# Altium PCB fpgav2.2.PcbDoc (part 2 of 5)
Units mm, origin at the board's own origin, x right, y up, seen from the top; angles counter-clockwise.
Board outline 100 x 100 mm, 4 copper layers (Top Layer, S1, S2, Bottom Layer), stack 1.853 mm thick; 11 components, 223 nets, 672 pads, 762 vias.
Unrouted connection lines stored in the file: 7.
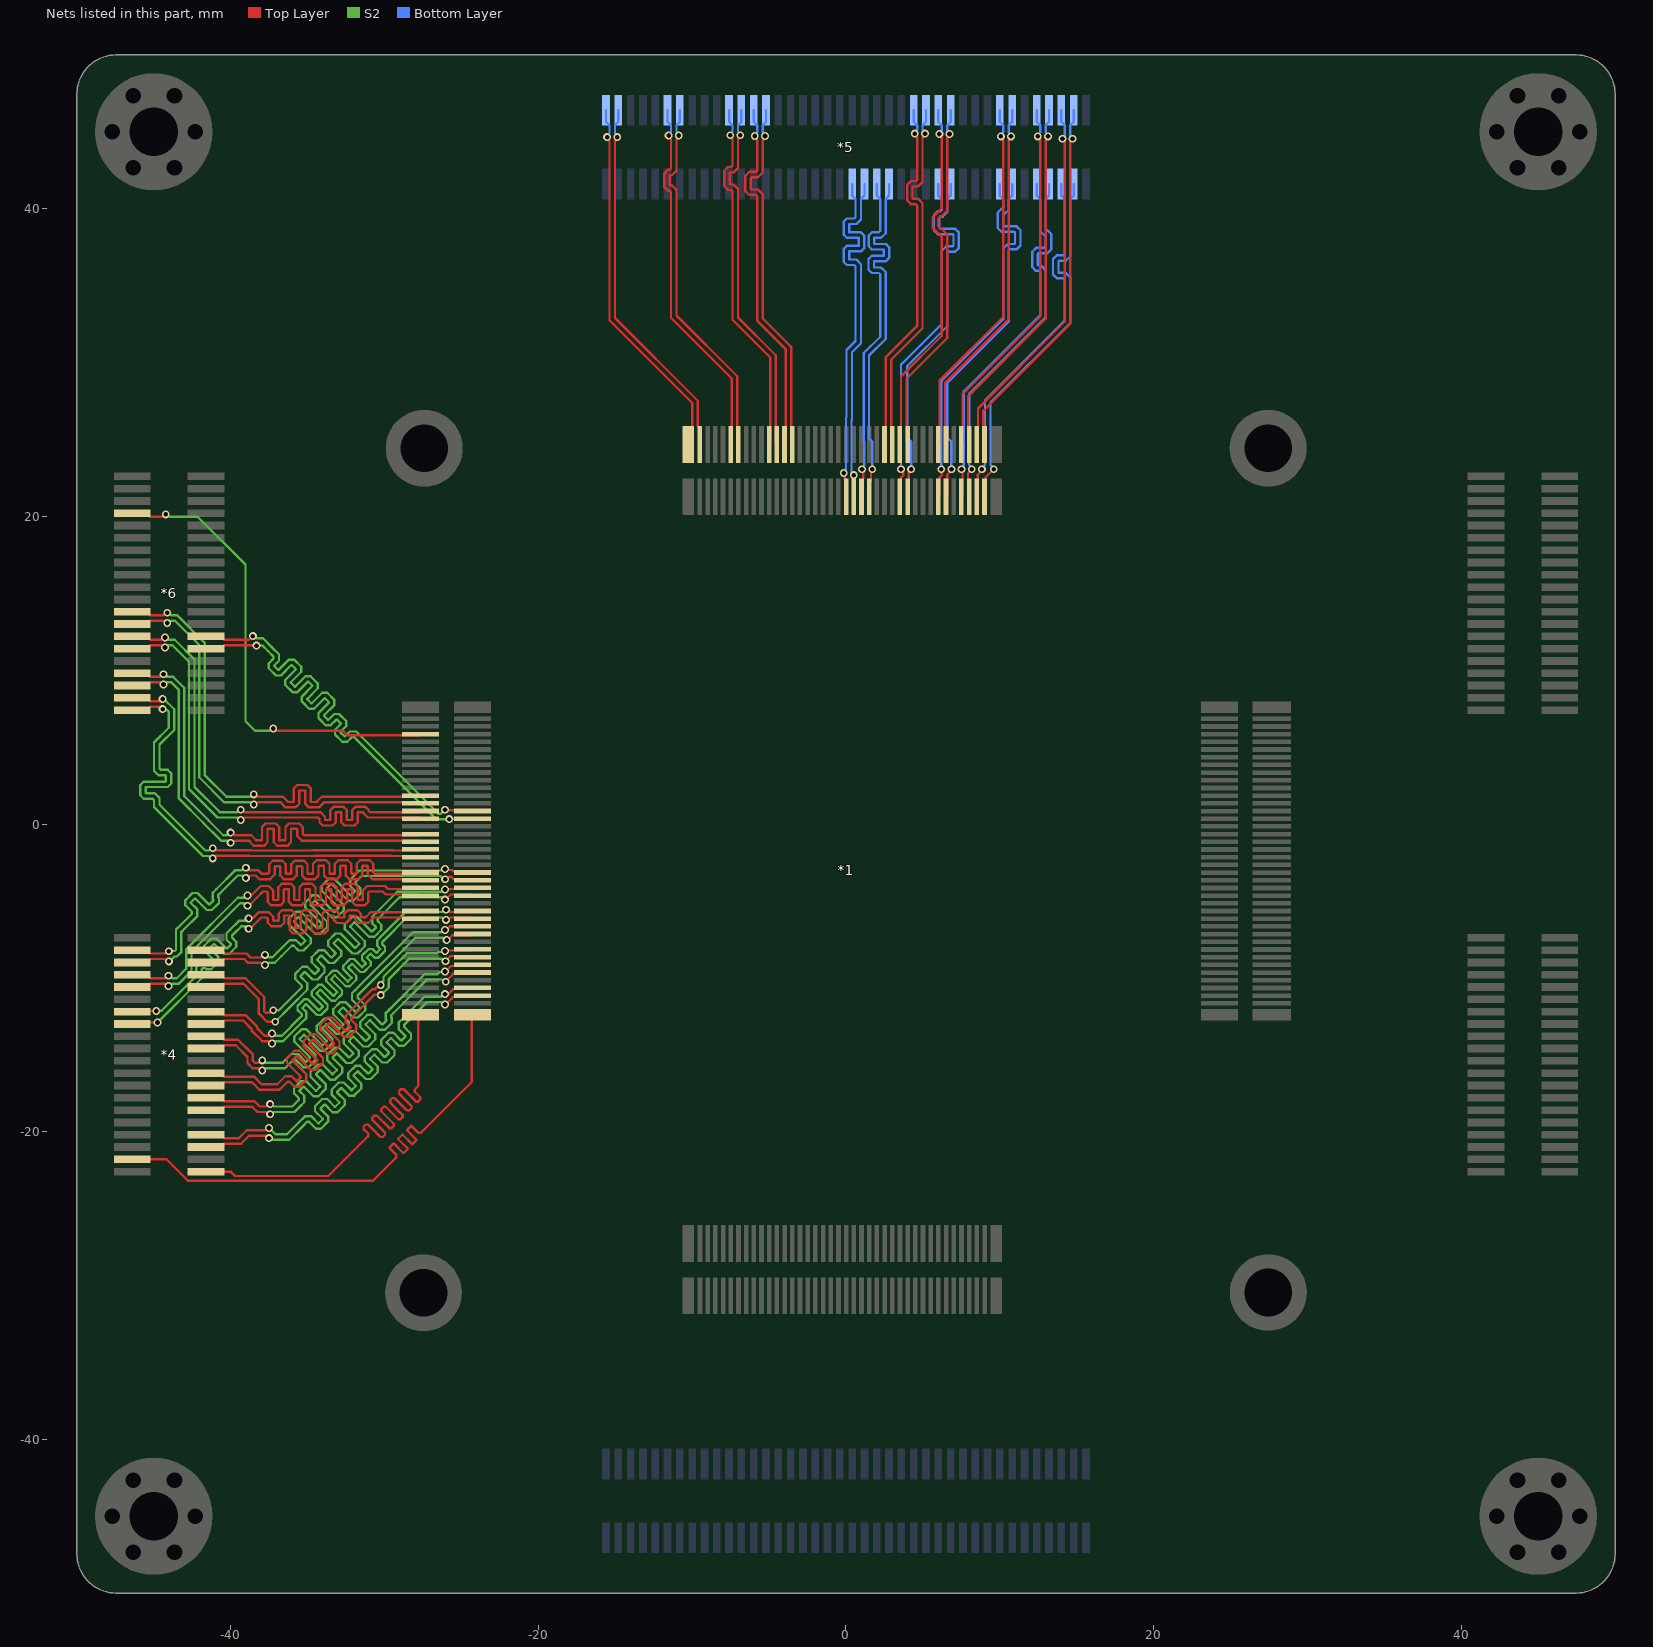
[diagram p4: the nets of this part, all layers, seen from the top]

## Via types
v1: diameter 0.508, hole 0.305, Top Layer to Bottom Layer, 418 vias
v2: diameter 0.635, hole 0.381, Top Layer to Bottom Layer, 340 vias
v3: diameter 0.559, hole 0.305, Top Layer to Bottom Layer, 4 vias

## Nets (pads, with @x,y where several pads share a name; then routed paths per layer and width w, separated by ;. In a path a pad name is that pad's centre, name@x,y a point inside that pad or via, vN(x,y) a via of type N, cw(c..) or ccw(c..) an arc to the next point about the centre after c; other vN are vias at no path point) (continued)
B14_L10_N: *1.94 *5.13 | length 23.8
  Top Layer w0.152: v1(-10.87,44.755) -10.87,44.659 -11.022,44.506 -11.022,43.561 -11.022,42.477 -11.32,42.18 -11.42,42.18 -11.453,42.147 -11.453,41.552 -11.42,41.519 -11.32,41.519 -11.022,41.222 -11.022,40.894 -11.022,33.064 -7.068,29.11 -7.068,24.743 *1.94@-6.995,24.671
  Bottom Layer w0.152: -11.022,45.003 -11.022,45.428 -10.8,45.65 *5.13@-10.8,46.4
B14_L10_P: *1.92 *5.11 | length 23.8
  Top Layer w0.152: v1(-11.53,44.755) -11.53,44.659 -11.378,44.506 -11.378,43.561 -11.378,42.625 -11.467,42.535 -11.567,42.535 -11.808,42.294 -11.808,41.405 -11.567,41.164 -11.467,41.164 -11.378,41.074 -11.378,40.894 -11.378,32.917 -7.423,28.962 -7.423,24.743 *1.92@-7.496,24.671
  Bottom Layer w0.152: *5.11@-11.6,46.4 -11.6,45.65 -11.378,45.428 -11.378,45.003
B14_L11_N: *1.121 *5.42 | length 23.7
  Top Layer w0.152: v1(-0.14,22.823) -0.072,22.755 -0.072,22.399 -0.07,22.396 -0.07,21.346 *1.121@0.004,21.272
  Bottom Layer w0.152: v1(-0.14,22.823) -0.14,22.919 0.001,23.06 0.001,26.414 0.031,26.445 0.031,30.811 0.622,31.402 0.622,36.068 0.622,36.248 0.533,36.338 0.053,36.338 -0.155,36.546 -0.155,37.374 0.053,37.582 0.821,37.582 0.821,38.116 0.053,38.116 -0.155,38.324 -0.155,39.152 0.053,39.36 0.533,39.36 0.622,39.45 0.622,39.948 0.622,40.628 0.4,40.85 *5.42@0.4,41.6
B14_L11_P: *1.123 *5.44 | length 22.2
  Bottom Layer w0.152: v1(0.504,22.679) 0.504,22.775 0.356,22.923 0.356,26.267 0.387,26.297 0.387,30.663 0.978,31.255 0.978,36.068 0.978,36.396 0.68,36.693 0.2,36.693 0.2,37.227 0.968,37.227 1.176,37.435 1.176,38.263 0.968,38.471 0.2,38.471 0.2,39.005 0.68,39.005 0.978,39.302 0.978,39.948 0.978,40.628 1.2,40.85 *5.44@1.2,41.6
B14_L12_N: *1.132 *5.51 | length 23.4
  Top Layer w0.152: *1.132@2.504,24.671 2.576,24.743 2.576,30.333 4.622,32.379 4.622,40.03 4.622,40.211 4.533,40.3 4.22,40.3 3.972,40.548 3.972,41.551 4.22,41.799 4.533,41.799 4.622,41.888 4.622,43.637 4.622,44.633 4.47,44.786 v1(4.47,44.882)
  Bottom Layer w0.152: *5.51@4.4,46.4 4.4,45.65 4.622,45.428 4.622,45.13
B14_L12_P: *1.134 *5.53 | length 23.4
  Top Layer w0.152: *1.134@3.004,24.671 2.932,24.743 2.932,30.186 4.978,32.232 4.978,40.03 4.978,40.358 4.68,40.656 4.367,40.656 4.327,40.695 4.327,41.404 4.367,41.443 4.68,41.443 4.978,41.741 4.978,43.637 4.978,44.633 5.13,44.786 v1(5.13,44.882)
  Bottom Layer w0.152: 4.978,45.13 4.978,45.428 5.2,45.65 *5.53@5.2,46.4
B14_L13_N: *1.136 *5.55 | length 23.2
  Top Layer w0.152: *1.136@3.504,24.671 3.576,24.743 3.576,29.098 6.222,31.744 6.222,37.988 6.222,38.169 6.041,38.35 6.037,38.35 5.648,38.739 5.648,39.459 6.037,39.848 6.041,39.848 6.222,40.029 6.222,40.411 6.222,44.608 6.07,44.76 v1(6.07,44.856)
  Bottom Layer w0.152: *5.55@6,46.4 6,45.65 6.222,45.428 6.222,45.105
B14_L13_P: *1.138 *5.57 | length 23.2
  Top Layer w0.152: *1.138@4.004,24.671 3.932,24.743 3.932,28.951 6.578,31.597 6.578,37.988 6.578,38.316 6.188,38.705 6.184,38.705 6.003,38.886 6.003,39.312 6.184,39.493 6.188,39.493 6.578,39.882 6.578,40.411 6.578,44.608 6.73,44.76 v1(6.73,44.856)
  Bottom Layer w0.152: 6.578,45.105 6.578,45.428 6.8,45.65 *5.57@6.8,46.4
B14_L14_N: *1.125 *5.46 | length 23.6
  Top Layer w0.152: *1.125@1.004,21.272 1.004,22.346 1.12,22.462 1.12,22.798
  Bottom Layer w0.152: v1(1.04,23.065) 1.04,23.161 1.193,23.313 1.193,24.87 1.143,24.92 1.143,30.602 2.222,31.681 2.222,35.553 2.222,35.733 2.133,35.822 1.669,35.822 1.46,36.03 1.46,36.731 1.669,36.94 2.446,36.94 2.446,37.346 1.689,37.346 1.481,37.554 1.481,38.255 1.689,38.464 2.133,38.464 2.222,38.553 2.222,39.345 2.222,40.628 2,40.85 *5.46@2,41.6
B14_L14_P: *1.127 *5.48 | length 23.6
  Top Layer w0.152: *1.127@1.504,21.272 1.504,22.139 1.62,22.255 1.62,22.798
  Bottom Layer w0.152: v1(1.701,23.065) 1.701,24.865 1.499,25.067 1.499,30.455 2.578,31.534 2.578,35.553 2.578,35.88 2.28,36.178 1.816,36.178 1.816,36.584 2.593,36.584 2.802,36.792 2.802,37.493 2.593,37.702 1.837,37.702 1.837,38.108 2.28,38.108 2.578,38.406 2.578,39.345 2.578,40.628 2.8,40.85 *5.48@2.8,41.6
B14_L15_N: *1.102 *5.21 | length 23.4
  Top Layer w0.152: v1(-7.53,44.78) -7.53,44.684 -7.378,44.532 -7.378,43.434 -7.378,42.802 -7.467,42.713 -7.665,42.713 -7.913,42.465 -7.913,41.462 -7.665,41.214 -7.467,41.214 -7.378,41.125 -7.378,40.945 -7.378,32.778 -4.923,30.323 -4.923,24.743 *1.102@-4.996,24.671
  Bottom Layer w0.152: *5.21@-7.6,46.4 -7.6,45.65 -7.378,45.428 -7.378,45.029
B14_L15_P: *1.104 *5.23 | length 23.4
  Top Layer w0.152: v1(-6.87,44.78) -6.87,44.684 -7.022,44.532 -7.022,43.434 -7.022,42.655 -7.32,42.357 -7.518,42.357 -7.557,42.318 -7.557,41.609 -7.518,41.57 -7.32,41.57 -7.022,41.272 -7.022,40.945 -7.022,32.925 -4.568,30.471 -4.568,24.743 *1.104@-4.496,24.671
  Bottom Layer w0.152: -7.022,45.029 -7.022,45.428 -6.8,45.65 *5.23@-6.8,46.4
B14_L16_N: *1.84 *5.3 | length 23.9
  Top Layer w0.152: v1(-14.87,44.653) -14.87,44.557 -15.022,44.405 -15.022,32.899 -9.642,27.519 -9.642,25.868 -9.495,25.721 *1.84@-9.495,24.671
  Bottom Layer w0.152: -15.022,44.902 -15.022,45.428 -14.8,45.65 *5.3@-14.8,46.4
B14_L16_P: *1.82 *5.1 | length 24
  Top Layer w0.152: v1(-15.53,44.653) -15.53,44.557 -15.378,44.405 -15.378,32.751 -9.998,27.371 -9.998,24.919 *1.82@-10.246,24.671
  Bottom Layer w0.152: *5.1@-15.6,46.4 -15.6,45.65 -15.378,45.428 -15.378,44.902
B14_L17_N: *1.108 *5.27 | length 23.6
  Top Layer w0.152: v1(-5.27,44.729) -5.27,44.633 -5.422,44.481 -5.422,43.18 -5.422,42.338 -5.72,42.04 -6.145,42.04 -6.184,42.001 -6.184,41.292 -6.145,41.253 -5.72,41.253 -5.422,40.955 -5.422,40.628 -5.422,32.874 -3.568,31.02 -3.568,24.743 *1.108@-3.496,24.671
  Bottom Layer w0.152: -5.422,44.978 -5.422,45.428 -5.2,45.65 *5.27@-5.2,46.4
B14_L17_P: *1.106 *5.25 | length 23.6
  Top Layer w0.152: v1(-5.93,44.729) -5.93,44.633 -5.778,44.481 -5.778,43.18 -5.778,42.485 -5.867,42.396 -6.292,42.396 -6.54,42.148 -6.54,41.145 -6.292,40.897 -5.867,40.897 -5.778,40.808 -5.778,40.628 -5.778,32.727 -3.924,30.873 -3.924,24.743 *1.106@-3.996,24.671
  Bottom Layer w0.152: *5.25@-6,46.4 -6,45.65 -5.778,45.428 -5.778,44.978
B14_L18_N: *1.135 *5.56 | length 23.3
  Top Layer w0.152: *1.135@3.504,21.272 3.578,21.346 3.578,22.519 3.724,22.665 3.724,22.816
  Bottom Layer w0.152: v1(3.572,23.065) 3.572,24.592 3.572,29.854 3.632,29.915 ; 3.632,29.916 6.222,32.506 6.222,35.789 6.222,37.259 6.52,37.557 6.945,37.557 6.984,37.596 6.984,38.305 6.945,38.344 5.967,38.344 5.719,38.592 5.719,39.595 5.967,39.843 6.133,39.843 6.222,39.932 6.222,40.55 6.222,40.628 6,40.85 *5.56@6,41.6
B14_L18_P: *1.137 *5.58 | length 23.3
  Top Layer w0.152: *1.137@4.004,21.272 4.078,21.346 4.078,22.516 4.08,22.518 4.08,22.811
  Bottom Layer w0.152: v1(4.232,23.059) 4.232,24.865 3.988,25.109 3.988,29.769 6.578,32.359 6.578,35.789 6.578,37.112 6.667,37.201 7.092,37.201 7.34,37.449 7.34,38.452 7.092,38.7 6.114,38.7 6.075,38.739 6.075,39.448 6.114,39.487 6.28,39.487 6.578,39.785 6.578,40.55 6.578,40.628 6.8,40.85 *5.58@6.8,41.6
B14_L19_N: *1.152 *5.71 | length 23.8
  Top Layer w0.152: *1.152@7.504,24.671 7.577,24.743 7.577,27.942 12.622,32.988 12.622,44.455 12.47,44.608 v1(12.47,44.704)
  Bottom Layer w0.152: *5.71@12.4,46.4 12.4,45.65 12.622,45.428 12.622,44.953
B14_L19_P: *1.154 *5.73 | length 23.8
  Top Layer w0.152: *1.154@8.005,24.671 7.932,24.743 7.932,27.795 12.978,32.841 12.978,44.455 13.13,44.608 v1(13.13,44.704)
  Bottom Layer w0.152: 12.978,44.953 12.978,45.428 13.2,45.65 *5.73@13.2,46.4
B14_L20_N: *1.146 *5.65 | length 23.4
  Top Layer w0.152: *1.146@6.004,24.671 6.077,24.743 6.077,28.83 10.222,32.976 10.222,44.455 10.07,44.608 v1(10.07,44.704)
  Bottom Layer w0.152: *5.65@10,46.4 10,45.65 10.222,45.428 10.222,44.953
B14_L20_P: *1.148 *5.67 | length 23.4
  Top Layer w0.152: *1.148@6.504,24.671 6.432,24.743 6.432,28.683 10.578,32.828 10.578,44.455 10.73,44.608 v1(10.73,44.704)
  Bottom Layer w0.152: 10.578,44.953 10.578,45.428 10.8,45.65 *5.67@10.8,46.4
B14_L21_N: *1.145 *5.66 | length 23.9
  Top Layer w0.152: *1.145@6.005,21.272 6.078,21.346 6.078,22.522 6.228,22.671 6.228,23.029 v1(6.192,23.065)
  Bottom Layer w0.152: v1(6.192,23.065) 6.192,24.579 6.192,28.72 6.223,28.75 6.223,28.824 10.222,32.823 10.222,35.941 10.222,37.412 10.52,37.709 10.945,37.709 10.984,37.749 10.984,38.457 10.945,38.497 10.116,38.497 9.868,38.744 9.868,39.748 10.116,39.995 10.133,39.995 10.222,40.085 10.222,40.563 10.222,40.628 10,40.85 *5.66@10,41.6
B14_L21_P: *1.147 *5.68 | length 24
  Top Layer w0.152: *1.147@6.504,21.272 6.578,21.346 6.578,22.519 6.583,22.524 6.583,22.699 6.853,22.968 v1(6.853,23.065)
  Bottom Layer w0.152: v1(6.853,23.065) 6.853,24.853 6.579,25.127 6.579,28.677 10.578,32.676 10.578,35.941 10.578,37.264 10.667,37.354 11.092,37.354 11.34,37.601 11.34,38.605 11.092,38.852 10.263,38.852 10.224,38.892 10.224,39.6 10.263,39.64 10.28,39.64 10.578,39.937 10.578,40.563 10.578,40.628 10.8,40.85 *5.68@10.8,41.6
B14_L22_N: *1.153 *5.74 | length 23.9
  Top Layer w0.152: *1.153@8.005,21.272 7.932,21.344 7.932,22.784 8.174,23.025 v1(8.174,23.065)
  Bottom Layer w0.152: v1(8.174,23.065) 8.174,23.161 8.021,23.313 8.021,27.986 12.978,32.942 12.978,35.687 12.978,36.015 12.68,36.312 12.505,36.312 12.466,36.352 12.466,37.06 12.505,37.1 13.096,37.1 13.343,37.347 13.343,38.351 13.096,38.598 13.067,38.598 12.978,38.688 12.978,39.827 12.978,40.628 13.2,40.85 *5.74@13.2,41.6
B14_L22_P: *1.151 *5.72 | length 23.8
  Top Layer w0.152: *1.151@7.504,21.272 7.577,21.344 7.577,23.001 v1(7.513,23.065)
  Bottom Layer w0.152: v1(7.513,23.065) 7.513,23.161 7.666,23.313 7.666,28.133 12.622,33.09 12.622,35.687 12.622,35.867 12.533,35.957 12.358,35.957 12.11,36.204 12.11,37.208 12.358,37.455 12.948,37.455 12.988,37.495 12.988,38.203 12.948,38.243 12.92,38.243 12.622,38.54 12.622,39.827 12.622,40.628 12.4,40.85 *5.72@12.4,41.6
B14_L23_N: *1.158 *5.77 | length 24.3
  Top Layer w0.152: *1.158@9.005,24.671 8.932,24.743 8.932,26.865 14.578,32.51 14.578,44.303 14.73,44.455 v1(14.73,44.552)
  Bottom Layer w0.152: v1(14.73,44.552) 14.578,44.704 14.578,45.428 14.8,45.65 *5.77@14.8,46.4
B14_L23_P: *1.156 *5.75 | length 24.3
  Top Layer w0.152: *1.156@8.504,24.671 8.577,24.743 8.577,27.012 14.222,32.658 14.222,44.303 14.07,44.455 v1(14.07,44.552)
  Bottom Layer w0.152: *5.75@14,46.4 14,45.65 14.222,45.428 14.222,44.704 v1(14.07,44.552)
B14_L24_N: *1.155 *5.76 | length 23.9
  Top Layer w0.152: *1.155@8.505,21.272 8.566,21.333 8.566,22.701 8.834,22.969 v1(8.834,23.065)
  Bottom Layer w0.152: v1(8.834,23.065) 8.834,23.126 9.04,23.332 9.04,27.551 14.222,32.734 14.222,35.204 14.222,35.385 14.133,35.474 13.708,35.474 13.46,35.722 13.46,36.725 13.708,36.973 14.133,36.973 14.222,37.062 14.222,38.109 14.222,40.628 14,40.85 *5.76@14,41.6
B14_L24_P: *1.157 *5.78 | length 24
  Top Layer w0.152: *1.157@9.005,21.272 9.078,21.346 9.078,22.542 v1(9.601,23.065)
  Bottom Layer w0.152: v1(9.601,23.065) 9.601,23.126 9.395,23.332 9.395,27.404 14.578,32.586 14.578,35.204 14.578,35.532 14.28,35.83 13.855,35.83 13.816,35.869 13.816,36.578 13.855,36.617 14.28,36.617 14.578,36.915 14.578,38.109 14.578,40.628 14.8,40.85 *5.78@14.8,41.6
B15_IO0: *1.161 *4.3 | length 34.6
  Top Layer w0.152: *4.3@-46.4,-21.8 -44.173,-21.8 -42.783,-23.19 -30.759,-23.19 -29.273,-21.704 -29.22,-21.65 -29.22,-21.524 -29.681,-21.063 -29.681,-21.034 -29.422,-20.775 -29.394,-20.775 -28.784,-21.385 -28.756,-21.385 -28.497,-21.126 -28.497,-21.097 -29.106,-20.488 -29.106,-20.459 -28.848,-20.201 -28.819,-20.201 -28.21,-20.81 -28.181,-20.81 -27.922,-20.551 -27.922,-20.523 -28.531,-19.913 -28.531,-19.885 -28.273,-19.626 -28.244,-19.626 -27.783,-20.087 -27.657,-20.087 -27.508,-19.939 -24.333,-16.764 -24.333,-12.465 *1.161@-24.272,-12.404
B15_IO25: *1.162 *4.2 | length 33.3
  Top Layer w0.152: *4.2@-41.6,-22.6 -40.006,-22.6 -39.72,-22.885 -33.654,-22.885 -31.102,-20.333 -31.048,-20.28 -31.048,-20.136 -31.362,-19.821 -31.362,-19.677 -31.219,-19.534 -31.075,-19.534 -30.261,-20.347 -30.118,-20.347 -29.974,-20.204 -29.974,-20.06 -30.788,-19.246 -30.788,-19.103 -30.644,-18.959 -30.5,-18.959 -29.687,-19.773 -29.543,-19.773 -29.399,-19.629 -29.399,-19.485 -30.213,-18.672 -30.213,-18.528 -30.069,-18.384 -29.926,-18.384 -29.112,-19.198 -28.968,-19.198 -28.824,-19.054 -28.824,-18.911 -29.638,-18.097 -29.638,-17.953 -29.495,-17.809 -29.351,-17.809 -28.537,-18.623 -28.393,-18.623 -28.25,-18.48 -28.25,-18.336 -29.064,-17.522 -29.064,-17.378 -28.92,-17.235 -28.776,-17.235 -27.962,-18.049 -27.819,-18.049 -27.675,-17.905 -27.675,-17.761 -28.03,-17.406 -28.03,-17.262 -27.952,-17.184 -27.805,-17.037 -27.805,-12.538 *1.162@-27.671,-12.404
B15_L1_N: *1.185 *4.26 | length 29.9
  Top Layer w0.152: *4.26@-41.6,-13 -40.65,-13 -40.428,-12.778 -40.024,-12.778 -39.187,-12.778 -38.647,-13.317 -38.647,-13.418 -37.942,-14.122 -37.561,-14.122 -37.409,-14.275 v1(-37.313,-14.275) ; -25.761,-6.081 -24.344,-6.081 *1.185@-24.272,-6.154
  S2 w0.152: -37.064,-14.122 -36.598,-14.122 -35.312,-12.836 -35.082,-12.606 -35.082,-12.227 -35.352,-11.957 -35.1,-11.705 -34.386,-12.42 -34.133,-12.42 -33.703,-11.99 -33.703,-11.738 -34.425,-11.015 -34.174,-10.764 -33.452,-11.486 -33.199,-11.486 -32.769,-11.056 -32.769,-10.804 -33.484,-10.089 -33.232,-9.838 -32.518,-10.552 -32.265,-10.552 -31.835,-10.122 -31.835,-9.87 -32.368,-9.337 -32.117,-9.085 -31.584,-9.618 -31.331,-9.618 -30.901,-9.188 -30.901,-8.936 -31.156,-8.681 -30.905,-8.429 -30.65,-8.684 -30.397,-8.684 -29.967,-8.254 -29.967,-8.002 -30.159,-7.81 -30.159,-7.684 -30.042,-7.567 -28.557,-6.081 -26.258,-6.081 -26.106,-6.234 v1(-26.01,-6.234)
B15_L1_P: *1.187 *4.28 | length 29.9
  Top Layer w0.152: *4.28@-41.6,-12.2 -40.65,-12.2 -40.428,-12.422 -40.171,-12.422 -39.04,-12.422 -38.292,-13.17 -38.292,-13.27 -37.795,-13.767 -37.561,-13.767 -37.409,-13.614 v1(-37.313,-13.614) ; -25.761,-5.726 -24.344,-5.726 *1.187@-24.272,-5.654
  S2 w0.152: -37.064,-13.767 -36.674,-13.767 -35.528,-12.621 -35.386,-12.48 -35.386,-12.353 -35.657,-12.083 -35.657,-11.831 -35.227,-11.401 -34.974,-11.401 -34.259,-12.115 -34.008,-11.864 -34.73,-11.142 -34.73,-10.889 -34.3,-10.459 -34.048,-10.459 -33.325,-11.181 -33.074,-10.93 -33.789,-10.215 -33.789,-9.963 -33.359,-9.533 -33.106,-9.533 -32.392,-10.247 -32.14,-9.996 -32.673,-9.463 -32.673,-9.21 -32.243,-8.78 -31.991,-8.78 -31.458,-9.313 -31.206,-9.062 -31.461,-8.807 -31.461,-8.554 -31.031,-8.124 -30.779,-8.124 -30.524,-8.38 -30.272,-8.128 -30.464,-7.936 -30.464,-7.557 -30.258,-7.351 -28.633,-5.726 -26.258,-5.726 -26.106,-5.573 v1(-26.01,-5.573)
B15_L2_N: *1.173 *4.14 | length 30.9
  Top Layer w0.152: *4.14@-41.6,-17.8 -40.65,-17.8 -40.428,-18.022 -38.459,-18.022 -38.117,-18.364 -37.688,-18.364 -37.536,-18.212 v1(-37.44,-18.212) ; v1(-26.065,-9.59) -26.027,-9.59 -25.756,-9.319 -25.664,-9.227 -24.346,-9.227 *1.173@-24.272,-9.153
  S2 w0.152: -37.191,-18.364 -35.997,-18.364 -35.741,-18.107 -35.576,-17.943 -35.576,-17.817 -35.89,-17.503 -35.89,-17.179 -35.423,-16.712 -35.1,-16.712 -34.473,-17.339 -34.444,-17.339 -34.186,-17.08 -34.186,-17.052 -34.812,-16.425 -34.812,-16.102 -34.345,-15.635 -34.022,-15.635 -33.395,-16.261 -33.367,-16.261 -33.108,-16.003 -33.108,-15.974 -33.735,-15.347 -33.735,-15.024 -33.268,-14.557 -32.944,-14.557 -32.318,-15.184 -32.289,-15.184 -32.03,-14.925 -32.03,-14.896 -32.657,-14.27 -32.657,-13.946 -32.19,-13.48 -31.867,-13.48 -31.24,-14.106 -31.212,-14.106 -30.953,-13.848 -30.953,-13.819 -31.579,-13.192 -31.579,-12.869 -31.113,-12.402 -30.789,-12.402 -30.163,-13.029 -30.134,-13.029 -29.875,-12.77 -29.875,-12.741 -29.914,-12.702 -29.914,-12.281 -29.683,-12.05 -27.391,-9.758 -26.561,-9.758 -26.421,-9.618 -26.092,-9.618 v1(-26.065,-9.59)
B15_L2_P: *1.171 *4.12 | length 30.9
  Top Layer w0.152: *4.12@-41.6,-18.6 -40.65,-18.6 -40.428,-18.378 -38.606,-18.378 -38.264,-18.72 -37.688,-18.72 -37.536,-18.872 v1(-37.44,-18.872) ; v1(-26.018,-10.251) -26.018,-10.226 -25.567,-9.775 -25.519,-9.727 -24.346,-9.727 *1.171@-24.272,-9.654
  S2 w0.152: -37.191,-18.72 -35.85,-18.72 -35.489,-18.359 -35.22,-18.09 -35.22,-17.669 -35.534,-17.355 -35.534,-17.327 -35.276,-17.068 -35.247,-17.068 -34.62,-17.695 -34.297,-17.695 -33.83,-17.228 -33.83,-16.904 -34.457,-16.278 -34.457,-16.249 -34.198,-15.99 -34.169,-15.99 -33.543,-16.617 -33.219,-16.617 -32.753,-16.15 -32.753,-15.827 -33.379,-15.2 -33.379,-15.171 -33.121,-14.913 -33.092,-14.913 -32.465,-15.539 -32.142,-15.539 -31.675,-15.072 -31.675,-14.749 -32.302,-14.123 -32.302,-14.094 -32.043,-13.835 -32.014,-13.835 -31.388,-14.462 -31.064,-14.462 -30.597,-13.995 -30.597,-13.672 -31.224,-13.045 -31.224,-13.016 -30.965,-12.758 -30.937,-12.758 -30.31,-13.384 -29.987,-13.384 -29.52,-12.917 -29.52,-12.594 -29.559,-12.555 -29.559,-12.429 -29.431,-12.301 -27.243,-10.113 -26.216,-10.113 -26.078,-10.251 v1(-26.018,-10.251)
B15_L3_N: *1.195 *4.36 | length 30.9
  Top Layer w0.152: *4.36@-41.6,-9 -40.65,-9 -40.428,-8.778 -40.024,-8.778 -39.122,-8.778 -38.87,-9.03 -38.006,-9.03 -37.866,-9.169 v1(-37.77,-9.169) ; v1(-26.063,-3.595) -25.968,-3.595 -25.801,-3.428 -25.671,-3.428 -25.519,-3.58 -24.346,-3.58 *1.195@-24.272,-3.654
  S2 w0.152: -37.521,-9.017 -37.135,-9.017 -36.713,-8.595 -36.027,-7.909 -35.901,-7.909 -35.587,-8.223 -35.263,-8.223 -34.796,-7.756 -34.796,-7.433 -35.879,-6.35 -35.879,-6.322 -35.62,-6.063 -35.591,-6.063 -34.509,-7.146 -34.186,-7.146 -33.719,-6.679 -33.719,-6.355 -34.801,-5.273 -34.801,-5.244 -34.543,-4.985 -34.514,-4.985 -33.431,-6.068 -33.108,-6.068 -32.641,-5.601 -32.641,-5.278 -33.724,-4.195 -33.724,-4.166 -33.465,-3.908 -33.436,-3.908 -32.354,-4.99 -32.03,-4.99 -31.564,-4.523 -31.564,-4.2 -31.878,-3.886 -31.878,-3.76 -31.75,-3.632 -31.496,-3.378 -26.376,-3.378 -26.159,-3.595 v1(-26.063,-3.595)
B15_L3_P: *1.197 *4.38 | length 31.1
  Top Layer w0.152: *4.38@-41.6,-8.2 -40.65,-8.2 -40.428,-8.422 -40.171,-8.422 -38.974,-8.422 -38.722,-8.674 -38.031,-8.674 -37.866,-8.509 v1(-37.77,-8.509) ; v1(-26.072,-2.925) -26.004,-2.993 -25.603,-2.993 -25.516,-3.08 -24.346,-3.08 *1.197@-24.272,-3.154
  S2 w0.152: v1(-37.77,-8.509) -37.674,-8.509 -37.521,-8.661 -37.282,-8.661 -36.964,-8.343 -36.174,-7.554 -35.753,-7.554 -35.439,-7.868 -35.411,-7.868 -35.152,-7.609 -35.152,-7.58 -36.234,-6.498 -36.234,-6.174 -35.767,-5.707 -35.444,-5.707 -34.362,-6.79 -34.333,-6.79 -34.074,-6.531 -34.074,-6.503 -35.157,-5.42 -35.157,-5.097 -34.69,-4.63 -34.367,-4.63 -33.284,-5.712 -33.255,-5.712 -32.997,-5.454 -32.997,-5.425 -34.079,-4.342 -34.079,-4.019 -33.612,-3.552 -33.289,-3.552 -32.206,-4.635 -32.178,-4.635 -31.919,-4.376 -31.919,-4.347 -32.233,-4.033 -32.233,-3.612 -32.001,-3.381 -31.643,-3.023 -26.339,-3.023 -26.31,-2.993 -26.14,-2.993 v1(-26.072,-2.925)
B15_L4_N: *1.167 *4.8 | length 31.4
  Top Layer w0.152: *4.8@-41.6,-20.2 -40.65,-20.2 -40.428,-20.422 -39.466,-20.422 -38.956,-19.912 -37.764,-19.912 -37.612,-19.76 v1(-37.516,-19.76) ; v1(-26.065,-11.061) -25.997,-10.993 -25.788,-10.993 -25.522,-10.727 -24.346,-10.727 *1.167@-24.272,-10.654
  S2 w0.152: v1@-37.505,-19.749 -37.086,-20.168 -36.339,-20.168 -35.581,-19.41 -35.179,-19.007 -34.758,-19.007 -34.31,-19.455 -34.281,-19.455 -34.022,-19.196 -34.022,-19.168 -34.519,-18.671 -34.519,-18.348 -34.052,-17.881 -33.729,-17.881 -33.232,-18.377 -33.203,-18.377 -32.945,-18.119 -32.945,-18.09 -33.441,-17.593 -33.441,-17.27 -32.975,-16.803 -32.651,-16.803 -32.155,-17.3 -32.126,-17.3 -31.867,-17.041 -31.867,-17.012 -32.364,-16.516 -32.364,-16.192 -31.897,-15.726 -31.574,-15.726 -31.077,-16.222 -31.048,-16.222 -30.79,-15.964 -30.79,-15.935 -31.286,-15.438 -31.286,-15.115 -30.819,-14.648 -30.496,-14.648 -29.999,-15.145 -29.971,-15.145 -29.712,-14.886 -29.712,-14.857 -30.209,-14.361 -30.209,-14.037 -29.742,-13.57 -29.418,-13.57 -28.922,-14.067 -28.893,-14.067 -28.634,-13.808 -28.634,-13.78 -29.082,-13.332 -29.082,-12.911 -28.851,-12.679 -27.392,-11.22 -26.32,-11.22 -26.161,-11.061 v1(-26.065,-11.061)
B15_L4_P: *1.165 *4.6 | length 31
  Top Layer w0.152: *4.6@-41.6,-21 -40.65,-21 -40.428,-20.778 -39.319,-20.778 -38.809,-20.268 -37.764,-20.268 -37.612,-20.42 v1(-37.516,-20.42) ; v1(-26.065,-11.735) -26.027,-11.735 -25.519,-11.227 -24.346,-11.227 *1.165@-24.272,-11.153
  S2 w0.152: -37.267,-20.523 -36.192,-20.523 -35.33,-19.661 -35.031,-19.363 -34.905,-19.363 -34.457,-19.811 -34.134,-19.811 -33.667,-19.344 -33.667,-19.02 -34.164,-18.524 -34.164,-18.495 -33.905,-18.236 -33.876,-18.236 -33.379,-18.733 -33.056,-18.733 -32.589,-18.266 -32.589,-17.943 -33.086,-17.446 -33.086,-17.417 -32.827,-17.159 -32.799,-17.159 -32.302,-17.655 -31.979,-17.655 -31.512,-17.188 -31.512,-16.865 -32.008,-16.368 -32.008,-16.34 -31.75,-16.081 -31.721,-16.081 -31.224,-16.578 -30.901,-16.578 -30.434,-16.111 -30.434,-15.788 -30.931,-15.291 -30.931,-15.262 -30.672,-15.003 -30.643,-15.003 -30.147,-15.5 -29.823,-15.5 -29.356,-15.033 -29.356,-14.71 -29.853,-14.213 -29.853,-14.184 -29.594,-13.926 -29.566,-13.926 -29.069,-14.423 -28.746,-14.423 -28.279,-13.956 -28.279,-13.632 -28.727,-13.184 -28.727,-13.058 -28.599,-12.931 -27.244,-11.576 -26.32,-11.576 -26.161,-11.735 v1(-26.065,-11.735)
B15_L5_N: *1.193 *4.34 | length 30.9
  Top Layer w0.152: *4.34@-41.6,-9.8 -40.65,-9.8 -40.428,-10.022 -39.04,-10.022 -37.815,-11.247 -37.815,-12.178 -37.726,-12.267 -37.491,-12.267 -37.333,-12.11 v1(-37.237,-12.11) ; v1(-26.065,-4.256) -26.035,-4.226 -24.344,-4.226 *1.193@-24.272,-4.154
  S2 w0.152: v1(-37.237,-12.11) -37.231,-12.104 -36.864,-12.104 -36.396,-11.636 -35.382,-10.622 -35.382,-10.496 -35.813,-10.065 -35.813,-9.742 -35.346,-9.275 -35.023,-9.275 -34.543,-9.754 -34.514,-9.754 -34.256,-9.496 -34.256,-9.467 -34.735,-8.987 -34.735,-8.664 -34.268,-8.197 -33.945,-8.197 -33.465,-8.677 -33.437,-8.677 -33.178,-8.418 -33.178,-8.389 -33.658,-7.91 -33.658,-7.587 -33.191,-7.12 -32.867,-7.12 -31.928,-8.059 -31.899,-8.059 -31.641,-7.8 -31.641,-7.771 -32.58,-6.832 -32.58,-6.509 -32.113,-6.042 -31.79,-6.042 -30.851,-6.981 -30.822,-6.981 -30.563,-6.723 -30.563,-6.694 -30.798,-6.459 -30.798,-6.038 -30.566,-5.806 -29.168,-4.408 -26.313,-4.408 -26.161,-4.256 v1(-26.065,-4.256)
B15_L5_P: *1.191 *4.32 | length 31.2
  Top Layer w0.152: *4.32@-41.6,-10.6 -40.65,-10.6 -40.428,-10.378 -39.187,-10.378 -38.17,-11.394 -38.17,-12.326 -37.644,-12.852 v1(-37.109,-12.852) ; v1(-26.071,-4.916) -26.035,-4.916 -25.701,-4.582 -24.344,-4.582 *1.191@-24.272,-4.654
  S2 w0.152: v1(-37.109,-12.852) -36.144,-11.887 -35.026,-10.769 -35.026,-10.349 -35.457,-9.918 -35.457,-9.889 -35.199,-9.63 -35.17,-9.63 -34.69,-10.11 -34.367,-10.11 -33.9,-9.643 -33.9,-9.32 -34.38,-8.84 -34.38,-8.811 -34.121,-8.553 -34.092,-8.553 -33.613,-9.032 -33.289,-9.032 -32.822,-8.565 -32.822,-8.242 -33.302,-7.763 -33.302,-7.734 -33.043,-7.475 -33.015,-7.475 -32.076,-8.414 -31.752,-8.414 -31.285,-7.947 -31.285,-7.624 -32.224,-6.685 -32.224,-6.656 -31.966,-6.398 -31.937,-6.398 -30.998,-7.337 -30.675,-7.337 -30.208,-6.87 -30.208,-6.547 -30.442,-6.312 -30.442,-6.185 -30.315,-6.058 -29.021,-4.764 -26.32,-4.764 -26.167,-4.916 v1(-26.071,-4.916)
B15_L6_N: *1.206 *6.5 | length 30.5
  Top Layer w0.152: *6.5@-46.4,9 -45.45,9 -45.228,9.222 -44.824,9.222 -44.622,9.222 ; -39.756,-1.082 -39.04,-1.082 -38.815,-1.082 -38.725,-1.171 -38.725,-1.193 -38.497,-1.421 -37.836,-1.421 -37.608,-1.193 -37.608,-0.34 -37.587,-0.32 -37.222,-0.32 -37.201,-0.34 -37.201,-1.193 -36.973,-1.421 -36.312,-1.421 -36.084,-1.193 -36.084,-0.34 -36.063,-0.32 -35.698,-0.32 -35.677,-0.34 -35.677,-0.784 -35.38,-1.082 -34.29,-1.082 -27.743,-1.082 *1.206@-27.671,-1.154
  S2 w0.152: v1(-44.374,9.07) -44.278,9.07 -44.125,9.222 -43.891,9.222 -43.371,8.702 -43.371,1.665 -41.787,0.08 -41.787,0.07 -40.635,-1.082 -40.239,-1.082 -40.101,-1.219 v1(-40.005,-1.219)
B15_L6_P: *1.208 *6.7 | length 30.5
  Top Layer w0.152: *6.7@-46.4,9.8 -45.45,9.8 -45.228,9.578 -44.971,9.578 -44.622,9.578 ; -39.756,-0.726 -39.04,-0.726 -38.667,-0.726 -38.37,-1.024 -38.37,-1.045 -38.349,-1.066 -37.984,-1.066 -37.963,-1.045 -37.963,-0.193 -37.735,0.036 -37.074,0.036 -36.846,-0.193 -36.846,-1.045 -36.825,-1.066 -36.46,-1.066 -36.439,-1.045 -36.439,-0.193 -36.211,0.036 -35.55,0.036 -35.322,-0.193 -35.322,-0.637 -35.232,-0.726 -34.29,-0.726 -27.743,-0.726 *1.208@-27.671,-0.654
  S2 w0.152: v1(-44.374,9.73) -44.278,9.73 -44.125,9.578 -43.744,9.578 -43.016,8.85 -43.016,1.812 -42.522,1.318 -41.431,0.227 -41.431,0.218 -40.488,-0.726 -40.254,-0.726 -40.086,-0.559 v1(-40.005,-0.559)
B15_L7_N: *1.192 *4.31 | length 30.8
  Top Layer w0.152: *4.31@-46.4,-10.6 -45.45,-10.6 -45.228,-10.378 -44.824,-10.378 -44.292,-10.378 ; v1(-38.913,-5.309) -38.817,-5.309 -38.302,-4.794 -37.894,-4.386 -37.677,-4.386 -37.588,-4.475 -37.588,-5.067 -37.363,-5.292 -36.771,-5.292 -36.546,-5.067 -36.546,-4.258 -36.53,-4.242 -36.233,-4.242 -36.216,-4.258 -36.216,-5.067 -35.991,-5.292 -35.4,-5.292 -35.175,-5.067 -35.175,-4.258 -35.158,-4.242 -34.861,-4.242 -34.845,-4.258 -34.845,-5.067 -34.62,-5.292 -34.028,-5.292 -33.803,-5.067 -33.803,-4.258 -33.787,-4.242 -33.489,-4.242 -33.473,-4.258 -33.473,-5.067 -33.248,-5.292 -32.656,-5.292 -32.432,-5.067 -32.432,-4.258 -32.415,-4.242 -32.118,-4.242 -32.101,-4.258 -32.101,-5.067 -31.876,-5.292 -31.285,-5.292 -31.06,-5.067 -31.06,-4.475 -30.971,-4.386 -30.79,-4.386 -30.111,-4.386 -29.915,-4.582 -27.743,-4.582 *1.192@-27.671,-4.654
  S2 w0.152: v1(-44.044,-10.53) -43.947,-10.53 -43.795,-10.378 -43.366,-10.378 -42.545,-9.556 -42.545,-8.306 -39.395,-5.156 -39.161,-5.156 -39.009,-5.309 v1(-38.913,-5.309)
B15_L7_P: *1.194 *4.33 | length 30.7
  Top Layer w0.152: *4.33@-46.4,-9.8 -45.45,-9.8 -45.228,-10.022 -44.971,-10.022 -44.292,-10.022 ; v1(-38.913,-4.648) -38.851,-4.586 -38.597,-4.586 -38.302,-4.291 -38.041,-4.03 -37.53,-4.03 -37.232,-4.328 -37.232,-4.92 -37.216,-4.937 -36.918,-4.937 -36.902,-4.92 -36.902,-4.111 -36.677,-3.886 -36.085,-3.886 -35.861,-4.111 -35.861,-4.92 -35.844,-4.937 -35.547,-4.937 -35.53,-4.92 -35.53,-4.111 -35.305,-3.886 -34.714,-3.886 -34.489,-4.111 -34.489,-4.92 -34.472,-4.937 -34.175,-4.937 -34.159,-4.92 -34.159,-4.111 -33.934,-3.886 -33.342,-3.886 -33.117,-4.111 -33.117,-4.92 -33.101,-4.937 -32.804,-4.937 -32.787,-4.92 -32.787,-4.111 -32.562,-3.886 -31.971,-3.886 -31.746,-4.111 -31.746,-4.92 -31.729,-4.937 -31.432,-4.937 -31.416,-4.92 -31.416,-4.328 -31.118,-4.03 -30.79,-4.03 -29.964,-4.03 -29.768,-4.226 -27.743,-4.226 *1.194@-27.671,-4.154
  S2 w0.152: v1(-44.044,-9.87) -43.947,-9.87 -43.795,-10.022 -43.513,-10.022 -42.9,-9.409 -42.9,-8.158 -39.543,-4.801 -39.161,-4.801 -39.009,-4.648 v1(-38.913,-4.648)
B15_L8_N: *1.186 *4.25 | length 31
  Top Layer w0.152: *4.25@-46.4,-13 -46.303,-12.903 v1(-44.755,-12.903) ; v1(-38.837,-6.807) -38.74,-6.807 -38.015,-6.082 -37.922,-6.082 -37.679,-6.082 -37.589,-6.171 -37.589,-6.414 -37.363,-6.64 -36.749,-6.64 -36.522,-6.414 -36.522,-5.97 -36.505,-5.953 -36.185,-5.953 -36.167,-5.97 -36.167,-6.891 -35.941,-7.117 -35.326,-7.117 -35.1,-6.891 -35.1,-5.97 -35.082,-5.953 -34.762,-5.953 -34.744,-5.97 -34.744,-6.891 -34.518,-7.117 -33.904,-7.117 -33.678,-6.891 -33.678,-5.97 -33.66,-5.953 -33.34,-5.953 -33.322,-5.97 -33.322,-6.211 -33.096,-6.437 -32.481,-6.437 -32.255,-6.211 -32.255,-5.97 -32.237,-5.953 -31.917,-5.953 -31.9,-5.97 -31.9,-6.195 -31.674,-6.421 -31.059,-6.421 -30.833,-6.195 -30.833,-6.171 -30.744,-6.082 -30.563,-6.082 -27.743,-6.082 *1.186@-27.671,-6.154
  S2 w0.152: v1(-44.755,-12.903) -41.884,-10.033 -41.884,-10.023 -41.884,-9.451 -41.795,-9.362 -41.669,-9.362 -41.592,-9.439 -41.269,-9.439 -40.802,-8.972 -40.802,-8.648 -41.363,-8.087 -41.363,-8.058 -41.105,-7.8 -41.076,-7.8 -40.424,-8.452 -40.101,-8.452 -39.634,-7.985 -39.634,-7.661 -39.917,-7.378 -39.917,-7.252 -39.789,-7.125 -39.319,-6.655 -39.085,-6.655 -38.933,-6.807 v1(-38.837,-6.807)
B15_L8_P: *1.188 *4.27 | length 31.8
  Top Layer w0.152: *4.27@-45.319,-12.331 -45.45,-12.2 *4.27@-46.4,-12.2 -46.353,-12.153 v1(-44.845,-12.153) ; v1(-38.837,-6.147) -38.775,-6.085 -38.521,-6.085 -38.162,-5.726 -37.922,-5.726 -37.531,-5.726 -37.234,-6.024 -37.234,-6.267 -37.216,-6.285 -36.896,-6.285 -36.878,-6.267 -36.878,-5.823 -36.652,-5.597 -36.037,-5.597 -35.811,-5.823 -35.811,-6.744 -35.793,-6.762 -35.473,-6.762 -35.456,-6.744 -35.456,-5.823 -35.23,-5.597 -34.615,-5.597 -34.389,-5.823 -34.389,-6.744 -34.371,-6.762 -34.051,-6.762 -34.033,-6.744 -34.033,-5.823 -33.807,-5.597 -33.193,-5.597 -32.966,-5.823 -32.966,-6.064 -32.949,-6.082 -32.629,-6.082 -32.611,-6.064 -32.611,-5.823 -32.385,-5.597 -31.77,-5.597 -31.544,-5.823 -31.544,-6.048 -31.526,-6.065 -31.206,-6.065 -31.188,-6.048 -31.188,-6.024 -30.891,-5.726 -30.563,-5.726 -27.743,-5.726 *1.188@-27.671,-5.654
  S2 w0.152: v1(-44.845,-12.153) -44.824,-12.133 -44.487,-12.133 -42.24,-9.886 -42.24,-9.668 -42.24,-9.304 -41.942,-9.006 -41.522,-9.006 -41.445,-9.083 -41.416,-9.083 -41.158,-8.824 -41.158,-8.796 -41.719,-8.234 -41.719,-7.911 -41.252,-7.444 -40.929,-7.444 -40.277,-8.096 -40.248,-8.096 -39.989,-7.837 -39.989,-7.809 -40.272,-7.526 -40.272,-7.105 -40.041,-6.873 -39.466,-6.299 -39.085,-6.299 -38.933,-6.147 v1(-38.837,-6.147)
B15_L9_N: *1.198 *4.37 | length 30.9
  Top Layer w0.152: *4.37@-46.4,-8.2 -45.45,-8.2 -45.228,-8.422 -44.267,-8.422 -44.114,-8.27 v1(-44.018,-8.27) ; -38.766,-2.997 -38.226,-2.997 -38.036,-3.187 -37.997,-3.226 -37.582,-3.226 -37.493,-3.137 -37.493,-2.613 -37.267,-2.386 -36.652,-2.386 -36.426,-2.613 -36.426,-3.208 -36.408,-3.226 -36.088,-3.226 -36.07,-3.208 -36.07,-2.613 -35.844,-2.386 -35.23,-2.386 -35.004,-2.613 -35.004,-3.208 -34.986,-3.226 -34.666,-3.226 -34.648,-3.208 -34.648,-2.588 -34.422,-2.362 -33.807,-2.362 -33.581,-2.588 -33.581,-3.208 -33.564,-3.226 -33.243,-3.226 -33.226,-3.208 -33.226,-2.588 -33,-2.362 -32.385,-2.362 -32.159,-2.588 -32.159,-3.208 -32.141,-3.226 -31.821,-3.226 -31.803,-3.208 -31.803,-2.588 -31.577,-2.362 -30.963,-2.362 -30.736,-2.588 -30.736,-3.137 -30.647,-3.226 -29.756,-3.226 -27.743,-3.226 *1.198@-27.671,-3.154
  S2 w0.152: v1(-44.018,-8.27) -44.009,-8.26 -43.65,-8.26 -43.561,-8.171 -43.561,-6.866 -43.239,-6.545 -42.523,-5.829 -42.523,-5.703 -42.948,-5.278 -42.948,-4.954 -42.482,-4.487 -42.158,-4.487 -41.408,-5.237 -41.379,-5.237 -41.121,-4.979 -41.121,-4.95 -41.172,-4.899 -41.172,-4.478 -40.941,-4.246 -39.692,-2.997 -39.263,-2.997 -39.111,-2.845 v1(-39.014,-2.845)
B15_L9_P: *1.196 *4.35 | length 31
  Top Layer w0.152: *4.35@-46.4,-9 -45.45,-9 -45.228,-8.778 -44.267,-8.778 -44.114,-8.93 v1(-44.018,-8.93) ; -38.766,-3.353 -38.374,-3.353 -38.145,-3.582 -38.036,-3.582 -37.435,-3.582 -37.137,-3.284 -37.137,-2.76 -37.12,-2.742 -36.799,-2.742 -36.782,-2.76 -36.782,-3.355 -36.556,-3.582 -35.941,-3.582 -35.715,-3.355 -35.715,-2.76 -35.697,-2.742 -35.377,-2.742 -35.359,-2.76 -35.359,-3.355 -35.133,-3.582 -34.519,-3.582 -34.292,-3.355 -34.292,-2.736 -34.275,-2.718 -33.955,-2.718 -33.937,-2.736 -33.937,-3.355 -33.711,-3.582 -33.096,-3.582 -32.87,-3.355 -32.87,-2.736 -32.852,-2.718 -32.532,-2.718 -32.514,-2.736 -32.514,-3.355 -32.288,-3.582 -31.674,-3.582 -31.448,-3.355 -31.448,-2.736 -31.43,-2.718 -31.11,-2.718 -31.092,-2.736 -31.092,-3.284 -30.795,-3.582 -29.756,-3.582 -27.743,-3.582 *1.196@-27.671,-3.654
  S2 w0.152: v1(-44.018,-8.93) -43.965,-8.93 -43.65,-8.616 -43.503,-8.616 -43.205,-8.318 -43.205,-7.014 -42.988,-6.796 -42.168,-5.976 -42.168,-5.555 -42.593,-5.13 -42.593,-5.102 -42.334,-4.843 -42.306,-4.843 -41.555,-5.593 -41.232,-5.593 -40.765,-5.126 -40.765,-4.803 -40.817,-4.751 -40.817,-4.625 -40.689,-4.497 -39.545,-3.353 -39.263,-3.353 -39.111,-3.505 v1(-39.014,-3.505)
B15_L10_N: *1.218 *6.17 | length 30.6
  Top Layer w0.152: *6.17@-46.4,13.8 -45.45,13.8 -45.228,13.578 -44.368,13.578 ; -38.258,1.774 -37.059,1.774 -36.61,1.774 -36.312,1.476 -36.312,1.455 -36.292,1.434 -35.926,1.434 -35.906,1.455 -35.906,2.307 -35.677,2.536 -35.017,2.536 -34.788,2.307 -34.788,1.455 -34.768,1.434 -34.402,1.434 -34.382,1.455 -34.382,1.476 -34.084,1.774 -33.757,1.774 -27.743,1.774 *1.218@-27.671,1.846
  S2 w0.152: v1(-44.12,13.73) -44.024,13.73 -43.871,13.578 -43.49,13.578 -41.695,11.783 -41.695,3.189 -40.28,1.774 -38.755,1.774 -38.603,1.926 v1(-38.506,1.926)
B15_L10_P: *1.216 *6.15 | length 30.6
  Top Layer w0.152: *6.15@-46.4,13 -45.45,13 -45.228,13.222 -44.368,13.222 ; -38.258,1.418 -37.059,1.418 -36.757,1.418 -36.668,1.329 -36.668,1.307 -36.439,1.079 -35.779,1.079 -35.55,1.307 -35.55,2.16 -35.53,2.18 -35.164,2.18 -35.144,2.16 -35.144,1.307 -34.915,1.079 -34.255,1.079 -34.026,1.307 -34.026,1.329 -33.937,1.418 -33.757,1.418 -27.743,1.418 *1.216@-27.671,1.346
  S2 w0.152: v1(-44.12,13.07) -44.024,13.07 -43.871,13.222 -43.637,13.222 -42.051,11.636 -42.051,3.041 -40.428,1.418 -38.755,1.418 -38.603,1.266 v1(-38.506,1.266)
B15_L11_N: *1.183 *4.24 | length 30.7
  Top Layer w0.152: *4.24@-41.6,-13.8 -40.65,-13.8 -40.428,-14.022 -39.529,-14.022 -38.557,-14.994 -38.557,-15.392 -38.43,-15.519 -38.196,-15.519 ; v1(-26.074,-6.891) -25.978,-6.891 -25.74,-6.654 -24.417,-6.654 -24.344,-6.726 *1.183@-24.272,-6.654
  S2 w0.152: v1(-37.948,-15.367) -37.851,-15.367 -37.699,-15.519 -36.885,-15.519 -36.624,-15.519 -36.055,-14.95 -35.634,-14.95 -35.129,-15.455 -35.1,-15.455 -34.841,-15.197 -34.841,-15.168 -35.865,-14.144 -35.865,-13.821 -35.398,-13.354 -35.075,-13.354 -34.051,-14.378 -34.022,-14.378 -33.764,-14.119 -33.764,-14.09 -34.406,-13.448 -34.406,-13.124 -33.939,-12.657 -33.616,-12.657 -32.973,-13.3 -32.945,-13.3 -32.686,-13.041 -32.686,-13.013 -33.329,-12.37 -33.329,-12.047 -32.862,-11.58 -32.538,-11.58 -31.896,-12.222 -31.867,-12.222 -31.608,-11.964 -31.608,-11.935 -32.114,-11.43 -32.114,-11.009 -31.882,-10.777 -28.144,-7.039 -26.318,-7.039 -26.17,-6.891 v1(-26.074,-6.891)
B15_L11_P: *1.181 *4.22 | length 30.7
  Top Layer w0.152: *4.22@-41.6,-14.6 -40.65,-14.6 -40.428,-14.378 -39.677,-14.378 -38.913,-15.142 -38.913,-15.54 -38.577,-15.875 -38.196,-15.875 ; v1(-25.963,-7.542) -25.909,-7.542 -25.595,-7.227 -24.346,-7.227 *1.181@-24.272,-7.154
  S2 w0.152: v1(-37.948,-16.027) -37.851,-16.027 -37.699,-15.875 -36.529,-15.875 -36.477,-15.875 -35.908,-15.305 -35.781,-15.305 -35.276,-15.811 -34.953,-15.811 -34.486,-15.344 -34.486,-15.021 -35.51,-13.997 -35.51,-13.968 -35.251,-13.709 -35.222,-13.709 -34.198,-14.733 -33.875,-14.733 -33.408,-14.266 -33.408,-13.943 -34.051,-13.3 -34.051,-13.272 -33.792,-13.013 -33.763,-13.013 -33.121,-13.656 -32.797,-13.656 -32.33,-13.189 -32.33,-12.865 -32.973,-12.223 -32.973,-12.194 -32.714,-11.935 -32.686,-11.935 -32.043,-12.578 -31.72,-12.578 -31.253,-12.111 -31.253,-11.788 -31.758,-11.282 -31.758,-11.156 -31.631,-11.028 -27.996,-7.394 -26.207,-7.394 -26.059,-7.542 v1(-25.963,-7.542)
B15_L12_N: *1.177 *4.18 | length 30.9
  Top Layer w0.152: *4.18@-41.6,-16.2 -40.65,-16.2 -40.428,-16.422 -38.484,-16.422 -37.99,-16.916 -37.081,-16.916 -36.976,-16.916 -36.46,-16.401 -36.039,-16.401 -35.725,-16.715 -35.697,-16.715 -35.438,-16.457 -35.438,-16.428 -36.34,-15.526 -36.34,-15.203 -35.873,-14.736 -35.549,-14.736 -34.648,-15.638 -34.619,-15.638 -34.36,-15.379 -34.36,-15.35 -35.262,-14.449 -35.262,-14.125 -34.795,-13.658 -34.472,-13.658 -33.57,-14.56 -33.541,-14.56 -33.283,-14.301 -33.283,-14.273 -34.184,-13.371 -34.184,-13.048 -33.717,-12.581 -33.394,-12.581 -32.493,-13.482 -32.464,-13.482 -32.205,-13.224 -32.205,-13.195 -32.519,-12.881 -32.519,-12.46 -32.288,-12.228 -30.792,-10.733 -30.614,-10.733 -30.346,-10.465 v1(-30.25,-10.465) ; v1(-26.064,-8.258) -26.032,-8.226 -24.344,-8.226 *1.177@-24.272,-8.153
  S2 w0.152: v1(-30.25,-10.465) -30.25,-10.376 -30.072,-10.198 -30.072,-9.925 -28.558,-8.41 -26.596,-8.41 -26.511,-8.326 -26.132,-8.326 v1(-26.064,-8.258)
B15_L12_P: *1.175 *4.16 | length 31.1
  Top Layer w0.152: *4.16@-41.6,-17 -40.65,-17 -40.428,-16.778 -38.631,-16.778 -38.137,-17.272 -36.828,-17.272 -36.777,-17.22 -36.313,-16.757 -36.187,-16.757 -35.873,-17.071 -35.549,-17.071 -35.082,-16.604 -35.082,-16.281 -35.984,-15.379 -35.984,-15.35 -35.725,-15.092 -35.697,-15.092 -34.795,-15.993 -34.472,-15.993 -34.005,-15.526 -34.005,-15.203 -34.906,-14.301 -34.906,-14.273 -34.648,-14.014 -34.619,-14.014 -33.717,-14.916 -33.394,-14.916 -32.927,-14.449 -32.927,-14.125 -33.829,-13.224 -33.829,-13.195 -33.57,-12.936 -33.541,-12.936 -32.64,-13.838 -32.317,-13.838 -31.85,-13.371 -31.85,-13.048 -32.164,-12.734 -32.164,-12.607 -32.036,-12.48 -30.645,-11.088 -30.288,-11.088 v1(-30.251,-11.125) ; v1(-26.038,-8.918) -25.701,-8.581 -24.344,-8.581 *1.175@-24.272,-8.654
  S2 w0.152: v1(-30.251,-11.125) -30.228,-11.125 -29.717,-10.614 -29.717,-10.072 -28.411,-8.766 -26.322,-8.766 -26.317,-8.771 -26.281,-8.771 -26.134,-8.918 v1(-26.038,-8.918)
B15_L13_N: *1.212 *6.11 | length 30.7
  Top Layer w0.152: *6.11@-46.4,11.4 -45.45,11.4 -45.228,11.622 -44.824,11.622 -44.521,11.622 ; -39.096,0.418 -37.668,0.418 -34.319,0.418 -34.229,0.329 -34.229,0.116 -34.021,-0.093 -33.371,-0.093 -33.163,0.116 -33.163,0.758 -32.807,0.758 -32.807,0.116 -32.599,-0.093 -31.949,-0.093 -31.74,0.116 -31.74,0.758 -31.385,0.758 -31.385,0.716 -31.087,0.418 -28.626,0.418 -27.743,0.418 *1.212@-27.671,0.346
  S2 w0.152: v1(-44.272,11.47) -44.176,11.47 -44.024,11.622 -43.79,11.622 -42.711,10.544 -42.711,2.266 -40.863,0.418 -39.593,0.418 -39.441,0.266 v1(-39.345,0.266)
B15_L13_P: *1.214 *6.13 | length 30.7
  Top Layer w0.152: *6.13@-46.4,12.2 -45.45,12.2 -45.228,11.978 -44.971,11.978 -44.521,11.978 ; -39.096,0.774 -37.668,0.774 -34.171,0.774 -33.874,0.476 -33.874,0.263 -33.518,0.263 -33.518,0.905 -33.31,1.114 -32.66,1.114 -32.451,0.905 -32.451,0.263 -32.096,0.263 -32.096,0.905 -31.888,1.114 -31.237,1.114 -31.029,0.905 -31.029,0.863 -30.94,0.774 -28.626,0.774 -27.743,0.774 *1.214@-27.671,0.846
  S2 w0.152: v1(-44.272,12.13) -44.176,12.13 -44.024,11.978 -43.642,11.978 -42.355,10.691 -42.355,2.413 -40.716,0.774 -39.593,0.774 -39.441,0.926 v1(-39.345,0.926)
B15_L14_N: *1.213 *6.14 | length 31.2
  Top Layer w0.152: *6.14@-41.6,12.2 -40.65,12.2 -40.428,11.978 -39.51,11.978 -39.503,11.971 -38.826,11.971 -38.586,12.212 v1(-38.559,12.212) ; v1(-26.065,0.92) -26.028,0.883 -24.309,0.883 *1.213@-24.272,0.846
  S2 w0.152: v1(-38.559,12.212) -38.463,12.212 -38.33,12.079 -37.905,12.079 -37.31,11.483 -36.858,11.031 -36.858,10.611 -37.172,10.297 -37.172,10.268 -36.914,10.009 -36.885,10.009 -36.207,10.687 -35.883,10.687 -35.416,10.22 -35.416,9.897 -36.095,9.219 -36.095,9.19 -35.836,8.932 -35.807,8.932 -35.129,9.61 -34.806,9.61 -34.339,9.143 -34.339,8.819 -35.017,8.141 -35.017,8.113 -34.758,7.854 -34.73,7.854 -34.051,8.532 -33.728,8.532 -33.261,8.065 -33.261,7.742 -33.939,7.064 -33.939,7.035 -33.681,6.776 -33.652,6.776 -33.275,7.154 -32.951,7.154 -32.484,6.687 -32.484,6.363 -32.862,5.986 -32.862,5.957 -32.603,5.699 -32.574,5.699 -32.26,6.013 -31.839,6.013 -31.608,5.781 -26.499,0.672 -26.332,0.672 -26.084,0.92 v1(-26.065,0.92)
B15_L14_P: *1.211 *6.12 | length 30.9
  Top Layer w0.152: *6.12@-41.6,11.4 -40.65,11.4 -40.428,11.622 -39.657,11.622 -39.651,11.616 -38.34,11.616 v1(-38.32,11.596) ; v1(-25.792,0.319) -25.779,0.332 -24.286,0.332 *1.211@-24.272,0.346
  S2 w0.152: v1(-38.32,11.596) -38.312,11.605 -37.934,11.605 -37.561,11.232 -37.214,10.884 -37.214,10.758 -37.528,10.444 -37.528,10.121 -37.061,9.654 -36.737,9.654 -36.059,10.332 -36.031,10.332 -35.772,10.073 -35.772,10.044 -36.45,9.366 -36.45,9.043 -35.983,8.576 -35.66,8.576 -34.982,9.254 -34.953,9.254 -34.694,8.995 -34.694,8.967 -35.372,8.289 -35.372,7.965 -34.906,7.498 -34.582,7.498 -33.904,8.176 -33.875,8.176 -33.617,7.918 -33.617,7.889 -34.295,7.211 -34.295,6.888 -33.828,6.421 -33.505,6.421 -33.127,6.798 -33.099,6.798 -32.84,6.539 -32.84,6.511 -33.217,6.133 -33.217,5.81 -32.75,5.343 -32.427,5.343 -32.113,5.657 -31.987,5.657 -31.859,5.53 -26.646,0.317 v1(-25.792,0.319) v1(-25.792,0.319)
B15_L15_N: *1.202 *6.1 | length 30.2
  Top Layer w0.152: *6.1@-46.4,7.4 -45.45,7.4 -45.228,7.622 -44.824,7.622 -44.673,7.622 ; -40.983,-2.057 -38.794,-2.057 -38.77,-2.082 -34.573,-2.082 -34.548,-2.057 -29.62,-2.057 -29.595,-2.082 -27.743,-2.082 *1.202@-27.671,-2.154
  S2 w0.152: v1(-44.425,7.47) -44.357,7.402 -44.127,7.402 -44.032,7.306 -44.032,6.26 -44.984,5.308 -44.984,4.42 -44.984,3.461 -44.687,3.163 -44.243,3.163 -44.222,3.143 -44.222,2.777 -44.243,2.757 -45.648,2.757 -45.876,2.528 -45.876,1.868 -45.648,1.639 -45.073,1.639 -44.984,1.55 -44.984,1.37 -44.984,1.099 -41.803,-2.082 -41.422,-2.082 -41.27,-2.234 v1(-41.173,-2.234)
B15_L15_P: *1.204 *6.3 | length 30.4
  Top Layer w0.152: *6.3@-46.4,8.2 -45.45,8.2 -45.228,7.978 -44.971,7.978 -44.673,7.978 ; v1@-40.983,-1.702 -38.647,-1.702 -38.623,-1.726 -34.72,-1.726 -34.696,-1.702 -29.472,-1.702 -29.448,-1.726 -27.743,-1.726 *1.204@-27.671,-1.654
  S2 w0.152: v1(-44.425,8.13) -44.353,8.13 -43.676,7.454 -43.676,6.113 -44.629,5.16 -44.629,4.42 -44.629,3.608 -44.539,3.519 -44.095,3.519 -43.867,3.29 -43.867,2.63 -44.095,2.401 -45.5,2.401 -45.521,2.381 -45.521,2.015 -45.5,1.995 -44.926,1.995 -44.629,1.697 -44.629,1.37 -44.629,1.247 -41.656,-1.726 -41.422,-1.726 -41.27,-1.574 v1(-41.173,-1.574)
B15_L16_N: *1.234 *6.33 | length 30.6
  Top Layer w0.152: *6.33@-46.4,20.2 -45.45,20.2 -45.228,19.978 -44.47,19.978 ; v1(-37.236,6.213) -37.211,6.213 -37.059,6.061 -35.282,6.061 -35.277,6.066 -32.703,6.066 -32.412,5.774 -27.743,5.774 *1.234@-27.671,5.847
  S2 w0.152: v1(-44.221,20.13) -44.125,20.13 -43.973,19.978 -42.152,19.978 -39.042,16.868 -39.042,6.677 -38.425,6.061 -37.485,6.061 -37.333,6.213 v1(-37.236,6.213)